# KiCad board EBAZ4205.kicad_pcb (continued)
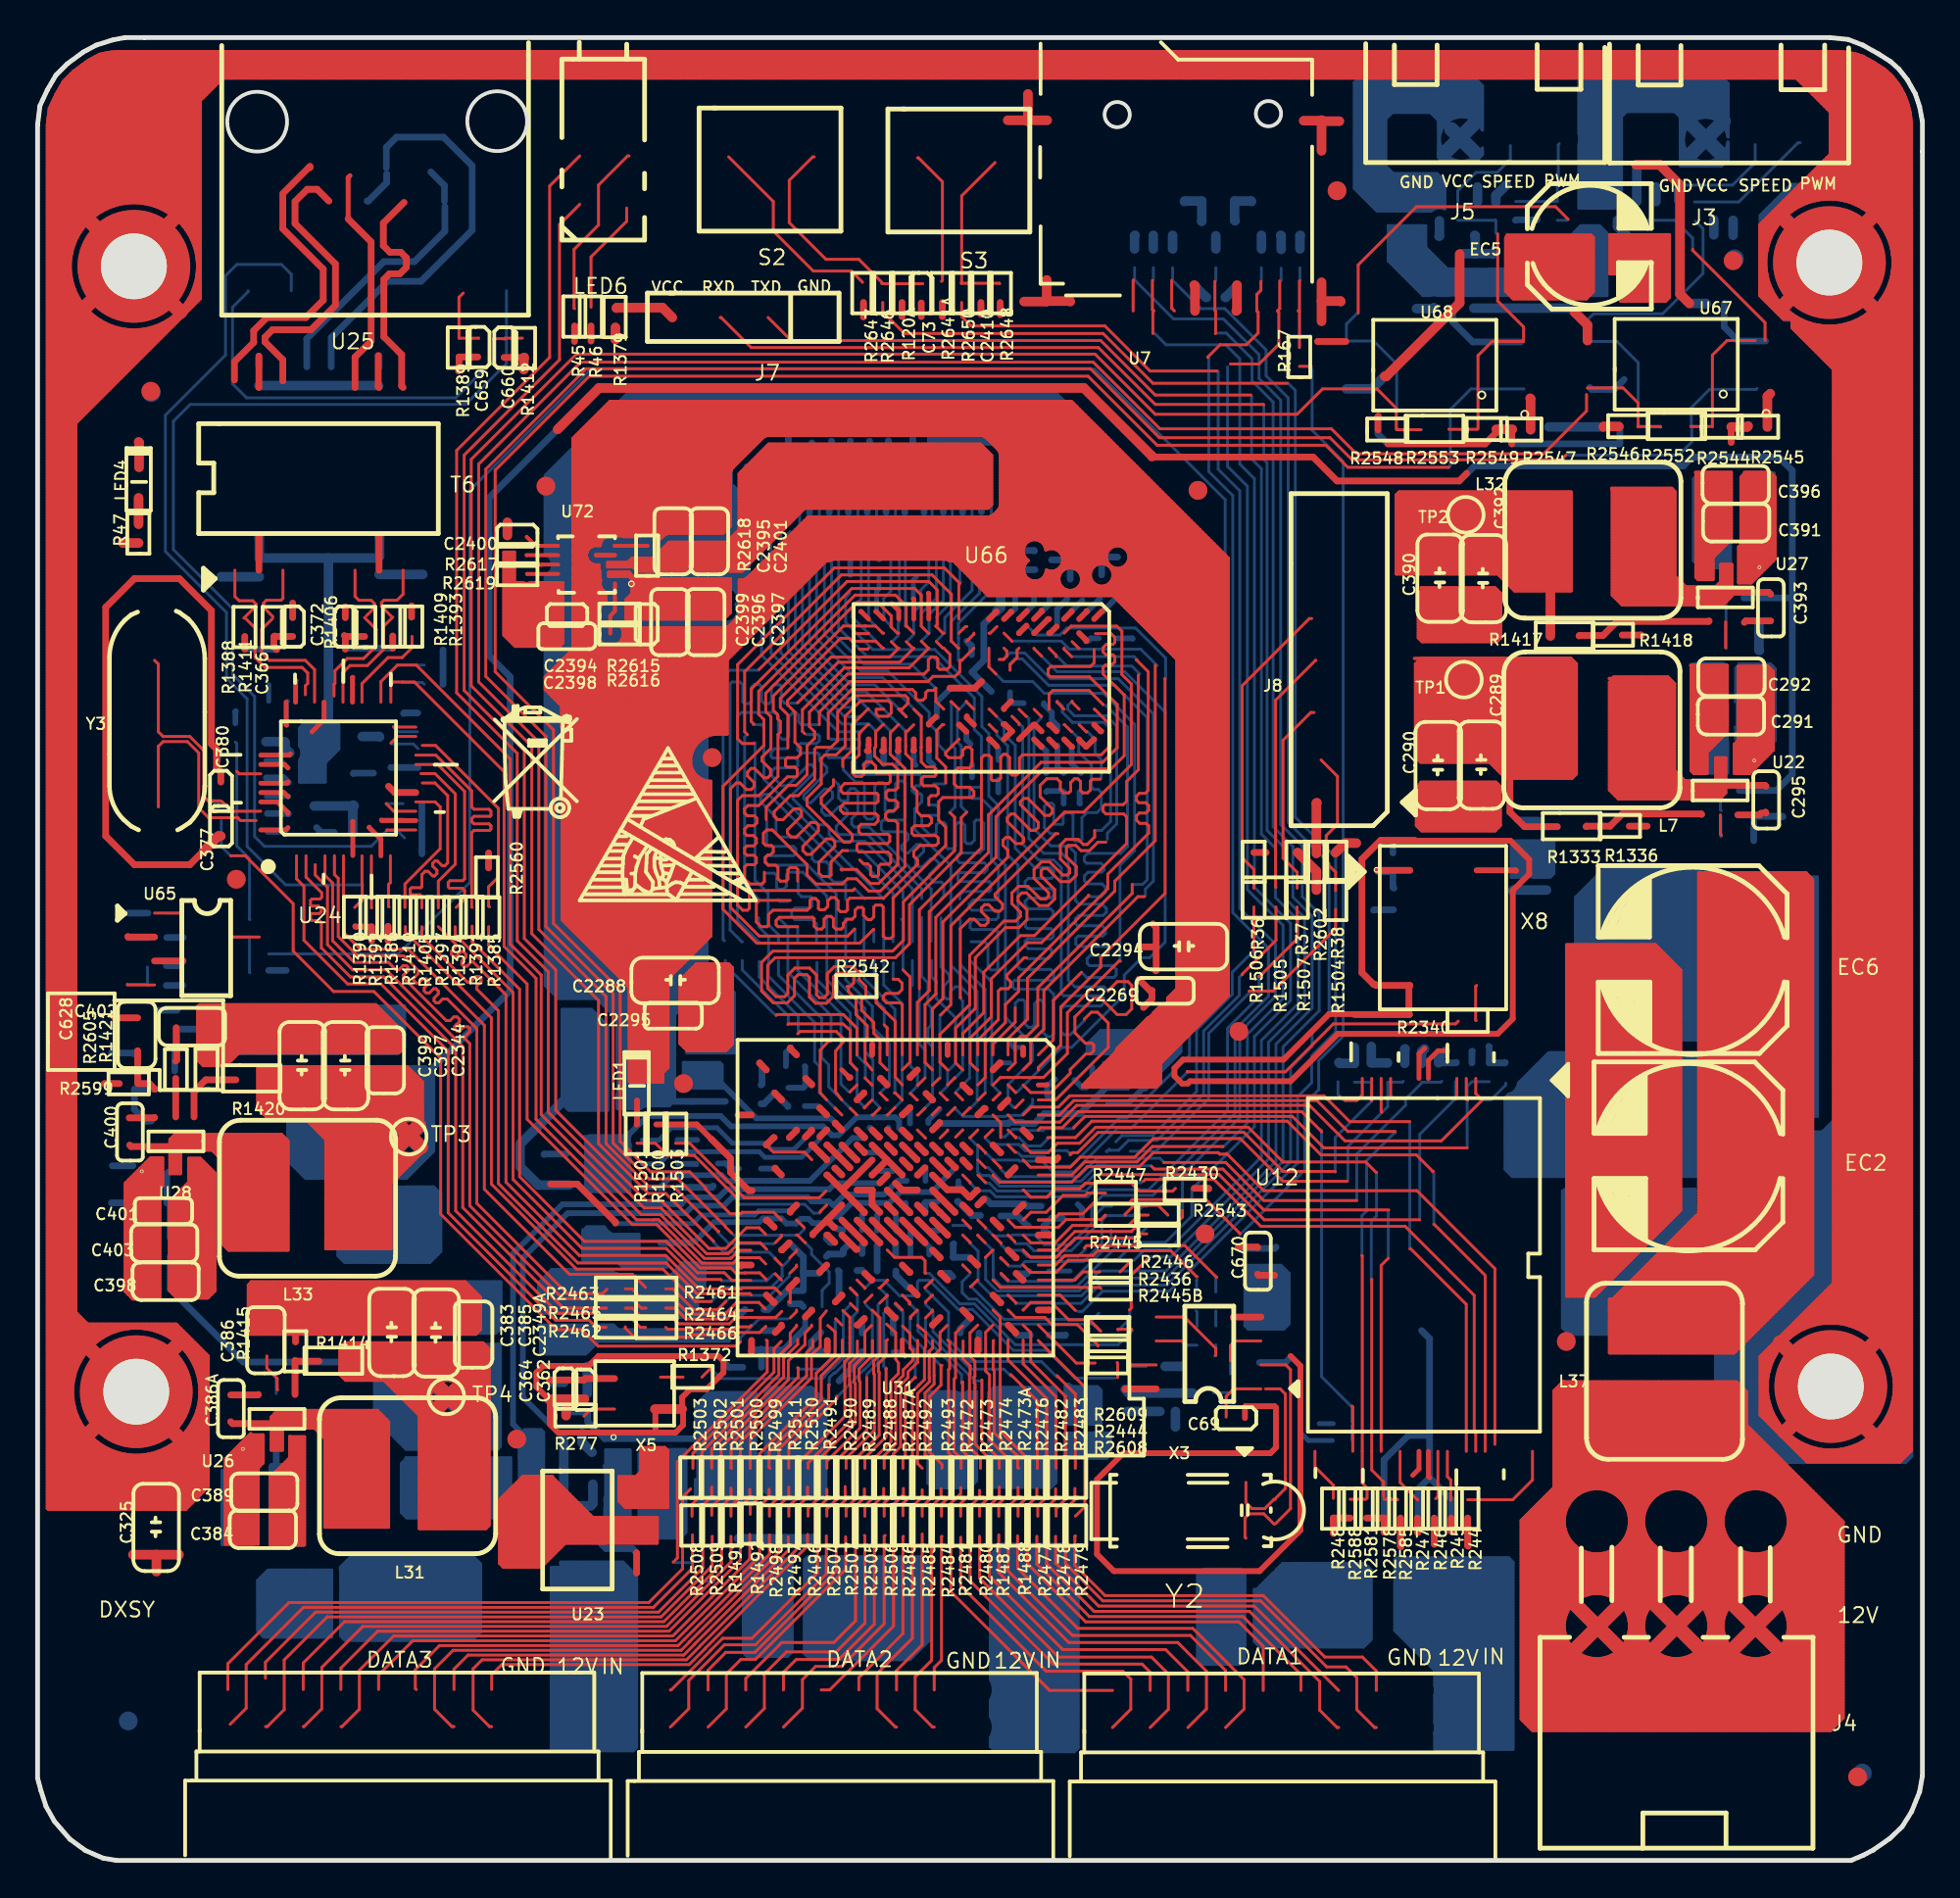
[diagram p0: board, top side]
## Routing (per net, layer and track width the routed paths; a pad name or vN(x,y) marks a point on that pad's centre or on a via; arc(x,y) is an arc through that point) (continued)
46.61,87.14 51.52,87.14 ; 41.19,59.84 41.7,59.84 ; 56.74,46.59 56.74,53.84 ; 40.23,29.25 40.23,30.99 ; 40.23,31.66 40.23,31.75 ; 49.62,74.82 49.86,74.82 ; 33.62,0.54 33.62,6.17 ; 44.55,30.8 44.55,35.8 ; 71.99,17.67 73.13,17.67 ; 62.83,9.9 62.83,26.5 ; 7.72,43.45 28.4,43.45 ; 16.86,76.56 16.86,87.69 ; 10.12,27.2 26.69,27.2 ; 55.85,51.76 55.85,59.68 ; 9.88,93.02 9.88,96.32 ; 39.39,72.16 39.72,72.16 ; 40.48,52.52 40.48,59.78 ; 69.69,66.72 69.69,68.68 ; 52.97,65.93 53.9,65.93 ; 54.58,68.33 54.58,94.09 ; 46.83,91.6 46.83,94.91 ; 37.23,81.94 37.97,81.94 ; 14.33,83.97 21.85,83.97 ; 27.02,6.75 27.33,6.75 ; 18.89,13.99 19.18,13.99 ; 66.2,31.26 70.8,31.26 ; 24.4,8.02 25.93,8.02 ; 1.91,10.18 79.64,10.18 ; 39.72,29.2 39.72,31.08 ; 50.73,39.77 51.77,39.77 ; 58.47,86.89 59.31,86.89 ; 75.15,8 75.15,8.13 ; 29.39,87.4 30.93,87.4 ; 55.6,65.2 55.6,93.98 ; 39.78,81.94 40.52,81.94 ; 39.08,55.65 48.18,55.65 ; 15.06,7.13 15.21,7.13 ; 5.3,29.37 5.3,77.17 ; 58.05,9.42 58.35,9.42 ; 33.5,8.01 33.5,8.16 ; 66.43,19.07 79.61,19.07 ; 56.68,36.85 58.89,36.85 ; 48.48,82.38 48.48,94.73 ; 46.35,60.47 46.91,60.47 ; 12.42,94.27 12.42,96.32 ; 48.61,34.78 48.61,36.56 ; 28.6,8.28 33.2,8.28 ; 44.36,39.9 44.46,39.9 ; 77.82,0.52 77.82,81.4 ; 53.56,0.53 53.56,32.99 ; 20.82,7.77 21.49,7.77 ; 67.41,68.32 67.41,67.08 46.99,67.08 ; 1.91,10.43 79.64,10.43 ; 56.88,36.6 59.1,36.6 ; 48.61,65.27 48.61,94.72 ; 18.06,15.51 18.33,15.51 ; 37,46.25 46.56,46.25 ; 66.26,84.43 66.26,86.12 ; 45.31,37.94 45.31,38.24 ; 10.89,61.37 10.89,64.1 ; 50.52,39.64 71.18,39.64 ; 33.75,19.88 33.75,20.18 ; 58.52,0.53 58.52,6.45 ; 23.08,7.2 23.08,9.03 ; 9.29,91.97 9.91,91.97 ; 57.04,22.88 60.21,22.88 ; 28.29,0.54 28.29,6.2 ; 23.72,7.94 23.72,8.29 ; 2.91,40.15 18.43,40.15 ; 37.31,0.54 37.31,6.25 ; 75.28,9.98 75.28,17.11 ; 76.93,61.76 76.93,82.29 ; 47.54,41.04 47.68,41.04 ; 25.39,90.95 27.95,90.95 ; 5.08,46.38 7.39,46.38 ; 76.15,9.29 79.65,9.29 ; 49.5,9.98 49.5,25.22 ; 43.86,49.68 44.13,49.68 ; 20.67,7.89 21.64,7.89 ; 39.59,29.74 42.82,29.74 ; 17.75,76.56 17.75,79.98 ; 22.96,0.54 22.96,6.65 ; 69.8,40.15 70.74,40.15 ; 87.47,51.25 87.47,51.59 ; 66.9,84.38 66.9,86.25 ; 40.55,6.75 40.84,6.75 ; 52.06,61.23 52.42,61.23 ; 13.18,18.19 13.18,19.45 ; 61.01,17.55 65.44,17.55 ; 2.93,35.58 50.23,35.58 ; 44.29,66.69 44.29,72.07 ; 70.34,24.15 79.59,24.15 ; 2.83,64.16 10.8,64.16 ; 46.62,8.91 46.8,8.91 ; 64.87,48.79 64.87,77.39 ; 51.53,61.13 51.53,61.41 ; 28.91,8.53 32.92,8.53 ; 28.79,8.4 33.04,8.4 ; 44.04,9.94 44.04,25.32 ; 46.83,61.19 46.83,64.56 ; 71.35,66.95 93.1,66.95 ; 84.68,38.35 84.68,50.59 ; 50.77,33.91 50.77,35.09 ; 29.1,7.13 32.75,7.13 ; 18.26,90.98 18.26,96.32 ; 62.58,79.62 62.58,79.75 ; 27.27,27.65 27.27,35.61 ; 12.06,83.21 12.64,83.21 ; 36.27,26.18 40.06,26.18 ; 2.81,72.16 8.27,72.16 ; 42.77,40.28 42.77,52.36 ; 50.77,33.07 50.77,33.44 ; 21.32,75.59 71.5,75.59 ; 18.38,0.54 18.38,6.23 ; 29.43,40.83 29.43,80.48 ; 36.86,44.72 39,44.72 ; 10.54,53.74 42.71,53.74 ; 54.07,64.45 54.07,65.3 ; 65.12,0.53 65.12,6.15 ; 59.41,37.32 59.41,46.97 ; 44.45,25.93 44.87,25.93 ; 45.94,89.47 45.94,90.2 ; 28.67,91.64 28.67,96.32 ; 42.77,89.56 42.77,95.33 ; 45.44,60.47 45.44,64.48 ; 47.54,40.66 47.68,40.66 ; 63.98,0.53 63.98,6.54 ; 47.72,8.03 47.72,8.15 ; 41.98,34.31 43.66,34.31 ; 2.94,32.15 8.27,32.15 ; 25.75,20.23 25.75,64.47 ; 72.99,7.97 72.99,8.16 ; 43.28,49.91 43.28,51.39 ; 26.8,66.19 36.44,66.19 ; 64.36,7.41 64.36,8.71 ; 66.67,30.37 79.57,30.37 ; 25.88,20.33 25.88,64.52 ; 2.8,73.93 8.27,73.93 ; 39.67,45.11 47.69,45.11 ; 68.42,67.29 68.42,68.11 ; 88.49,42.09 88.49,59.47 ; 37.31,91.5 37.31,95.91 ; 57.88,28.44 57.88,29.04 ; 89,70.3 89,70.77 ; 3.53,29.37 3.53,40.96 ; 60.04,86.66 60.04,94.24 ; 67.28,8 67.28,8.12 ; 27.21,19.96 33.08,19.96 ; 2.87,53.49 9.86,53.49 ; 36.06,44.34 36.27,44.34 ; 46.32,38.86 46.32,40.47 ; 18.64,9.89 18.64,13.83 ; 33.98,15.51 66.28,15.51 ; 58.52,51.39 58.52,51.66 ; 49.38,68.22 54.56,68.22 ; 44.67,41.98 44.67,44.36 ; 39.69,82.57 40.61,82.57 ; 18,90.84 18,96.32 ; 6.83,0.55 6.83,17.5 ; 50.64,66.57 50.64,72.37 ; 49.75,10 49.75,28.47 ; 8.86,56.64 8.86,70.75 ; 71.72,7.87 71.72,8.26 ; 47.59,36.72 47.67,36.72 ; 41.88,38.85 41.88,39.75 ; 56.74,57.9 56.74,59.73 ; 31.59,16.65 31.59,87.23 ; 59.51,9.93 60.91,9.93 ; 16.61,76.56 16.61,88.29 ; 63.6,79.99 63.6,95.43 ; 41.94,31.14 43.65,31.14 ; 54.52,59.08 54.64,59.08 ; 22.58,24.28 22.79,24.28 ; 71.69,52.73 78.28,52.73 ; 37.05,27.79 37.05,33.1 ; 76.3,40.79 76.64,40.79 ; 25.08,7.01 25.25,7.01 ; 2.83,64.66 10.68,64.66 ; 41.71,31.64 44.01,31.64 ; 51.53,9.98 51.53,25.54 ; 16.38,88.54 16.63,88.54 ; 43.78,88.82 43.78,95.23 ; 7.84,46.95 7.84,50.1 ; 28.54,9.95 28.54,27.03 ; 48.08,38.88 48.76,38.88 ; 34.31,8.4 35.04,8.4 ; 42.29,90.83 45.87,90.83 ; 68.16,9.04 68.31,9.04 ; 60.69,86.76 62.43,86.76 ; 37.2,33.68 40.4,33.68 ; 2.88,49.8 40.09,49.8 ; 49.37,7.96 49.37,8.21 ; 73.17,43.2 74.59,43.2 ; 18.89,60.74 18.89,64.13 ; 36.67,31.14 38.83,31.14 ; 75.79,0.53 75.79,6.32 ; 48.48,43.81 48.48,55.39 ; 43.93,87.9 44.14,87.9 ; 38.27,9.8 39.11,9.8 ; 80.11,33.86 80.11,76.07 ; 43.56,40.79 44.46,40.79 ; 73.16,40.66 75.1,40.66 ; 73.39,32.41 79.56,32.41 ; 42.5,9.55 42.9,9.55 ; 48.43,44.85 55.31,44.85 ; 46.2,27.24 46.2,28.6 ; 48.59,74.82 48.83,74.82 ; 44.87,49.68 59,49.68 ; 11.02,0.55 11.02,6.87 ; 65.63,31.49 65.63,53.35 ; 56.88,66.82 67.23,66.82 ; 22.51,88.67 28.08,88.67 ; 51.66,63.73 51.66,64.56 ; 15.72,76.56 15.72,87.43 ; 32.99,9.7 32.99,20.72 ; 50.52,40.41 51.81,40.41 ; 68.14,8.91 68.32,8.91 ; 18.51,64.59 18.51,70.25 ; 50.81,36.22 56.23,36.22 ; 56.48,9.64 56.48,21.52 ; 9.28,85.75 73.48,85.75 ; 14.57,9.92 14.57,59.68 ; 2.92,37.23 36.83,37.23 ; 74.15,7.26 74.34,7.26 ; 53.18,70.07 53.18,86.81 ; 72.87,7.92 72.87,8.2 ; 22.94,6.62 23.38,6.62 ; 69.69,7.88 69.69,8.24 ; 37.03,67.33 46.25,67.33 ; 38.06,26.69 45.79,26.69 ; 35.78,26.61 35.78,29.36 ; 50.01,40.14 50.01,62.42 ; 3.96,75.84 8.27,75.84 ; 89.73,70.25 93.09,70.25 ; 67.88,79.9 79.31,79.9 ; 66.39,16.15 66.39,17.59 ; 42.28,9.8 43.12,9.8 ; 36.29,67.3 36.29,67.51 ; 65.25,84.42 65.25,86.13 ; 31.62,89.81 36.32,89.81 ; 29.09,7.26 32.76,7.26 ; 55.34,28.85 79.57,28.85 ; 34.39,81.43 35.71,81.43 ; 39.47,82.84 39.47,95.68 ; 88.23,71.85 88.23,72.5 ; 35.88,29.36 36.6,29.36 ; 15.34,0.55 15.34,6.66 ; 68.92,66.06 69.73,66.06 ; 87.47,53.05 87.47,78.14 ; 47.34,0.53 47.34,6.25 ; 32.37,87.9 34.09,87.9 ; 44.51,25.8 46.35,25.8 ; 38.32,52.75 38.32,59.11 ; 52.04,26.14 52.04,27.68 ; 40.22,51.46 43.19,51.46 ; 44.97,35.71 45.46,35.71 ; 35.91,8 35.91,8.18 ; 53.56,61.27 53.56,63.73 ; 59.6,36.72 68.66,36.72 ; 71.47,9.95 71.47,17.12 ; 71.85,9.75 71.85,17.14 ; 39.17,55.39 48.46,55.39 ; 8.38,33.68 29.05,33.68 ; 31.12,33.8 36,33.8 ; 66.77,0.53 66.77,6.27 ; 89.12,42.71 89.12,59.47 ; 59.16,36.34 68.8,36.34 ; 29.31,81.24 29.31,87.34 ; 2.94,31.64 39.06,31.64 ; 51.4,9.95 51.4,25.72 ; 40.36,7.75 40.36,8.43 ; 43.83,61.49 48.28,61.49 ; 45.56,36.43 45.56,37.28 ; 76.12,61.74 76.36,61.74 ; 74.4,20.59 79.6,20.59 ; 41.5,83.05 41.5,87.16 ; 36.8,9.35 36.8,24.34 ; 55.18,37.99 56.58,37.99 ; 49.25,37.07 49.25,38.38 ; 45.31,36.25 45.31,37.41 ; 19.39,89.68 19.77,89.68 ; 47.47,62.61 47.47,64.71 ; 60.42,84.49 60.42,86.11 ; 43.4,61.77 43.4,64.35 ; 48.86,74.98 48.86,94.69 ; 75.69,7.89 79.65,7.89 ; 24.48,94.44 24.48,96.32 ; 71.09,7.99 71.09,8.13 ; 34.39,7.7 34.39,8.48 ; 60.68,21 60.68,22.7 ; 48.86,38.89 48.86,39.68 ; 8.92,34.56 36.96,34.56 ; 9.29,89.3 14,89.3 ; 5.05,50.73 5.05,76.92 ; 66.13,6.88 66.32,6.88 ; 68.07,79.27 71.41,79.27 ; 42.62,7.01 42.78,7.01 ; 71.47,61.61 71.47,63.66 ; 61.43,8.15 63,8.15 ; 39.05,52.47 40.26,52.47 ; 1.9,8.78 9.25,8.78 ; 57.75,26.54 57.75,38.14 ; 27.4,76.46 27.4,96.32 ; 69.69,43.37 69.69,55.37 ; 24.48,9.97 24.48,80.68 ; 74.16,8.91 74.33,8.91 ; 60.04,37.61 60.04,62.48 ; 27.15,27.7 27.15,35.64 ; 44.55,40.33 44.55,40.55 ; 41.12,33.86 41.12,38.21 ; 60.04,17.83 60.04,19.37 ; 65.5,0.53 65.5,6.19 ; 67.86,79.14 71.33,79.14 ; 66.64,14.51 66.64,14.74 ; 20.34,87.78 20.9,87.78 ; 32.05,16.02 33.46,16.02 ; 51.44,59.33 53.09,59.33 ; 8.22,0.55 8.22,17.52 ; 79.01,52.47 83.5,52.47 ; 45.35,44.72 47.82,44.72 ; 48.86,61.99 48.86,62.16 ; 69.96,40.41 70.61,40.41 ; 28.67,44.26 28.67,80.47 ; 39.85,29.29 39.85,30.97 ; 65.25,54.02 65.25,77.08 ; 50.64,7.2 50.64,8.98 ; 69.44,0.53 69.44,6.17 ; 48.74,68.18 48.74,94.71 ; 65.12,47.42 65.12,53.35 ; 68.91,55.9 69.65,55.9 ; 81.99,35.96 82.23,35.96 ; 43.17,72.79 43.98,72.79 ; 71.98,7.64 71.98,8.49 ; 48.57,6.75 48.86,6.75 ; 41.75,34.85 41.75,38.14 ; 25.75,83.08 76.14,83.08 ; 75.92,61.83 75.92,61.95 ; 29.14,87.27 31.18,87.27 ; 35.02,67.97 35.02,86.8 ; 76.3,74.13 76.3,82.92 ; 59.28,86.88 59.28,93.98 ; 15.05,90.83 15.94,90.83 ; 55.34,47.61 55.34,59.13 ; 46.96,33.19 46.96,34.16 ; 33.37,7.98 33.37,8.2 ; 58.26,29.68 58.26,31.56 ; 45.56,60.44 45.56,64.51 ; 12.12,80.28 17.78,80.28 ; 48.07,6.24 49.36,6.24 ; 65.37,47.01 93.15,47.01 ; 74.26,20.72 79.6,20.72 ; 44.31,82.32 47.78,82.32 ; 39.47,29.99 39.47,30.98 ; 49.84,32.41 50.2,32.41 ; 61.95,80.22 61.95,86.86 ; 52.04,45.77 52.04,60.55 ; 25.07,9.29 25.26,9.29 ; 57.37,46.25 64.08,46.25 ; 47.09,33.27 47.09,34.1 ; 46.96,66.09 46.96,66.99 ; 42.33,82.32 43.59,82.32 ; 66.77,29.36 79.57,29.36 ; 36.42,33.86 36.42,42.85 ; 16.1,89.01 16.1,89.27 ; 62.45,84.39 62.45,86.17 ; 43.5,36.6 46.15,36.6 ; 83.54,52.95 83.54,75.97 ; 39.21,9.87 39.21,29.31 ; 41.12,9.8 41.12,12.34 ; 46.83,26.08 46.83,28.81 ; 52.14,65.17 55.56,65.17 ; 50.78,35.33 69.86,35.33 ; 8.1,46.7 8.1,79.96 ; 76.7,71.01 88.25,71.01 ; 15.08,90.8 15.08,96.32 ; 57.33,37.74 57.77,37.74 ; 34.89,0.54 34.89,6.61 ; 52.35,90.7 69.9,90.7 ; 40.23,61.95 40.23,72.02 ; 9.28,85.87 73.35,85.87 ; 14.38,83.84 21.79,83.84 ; 42.13,89.52 42.13,90.12 ; 44.68,59.71 45.28,59.71 ; 62.2,0.53 62.2,35.38 ; 10.12,25.8 12.39,25.8 ; 26.9,9.67 27.44,9.67 ; 71.34,9.97 71.34,17.23 ; 41.95,34.69 43.66,34.69 ; 50.67,37.23 51.08,37.23 ; 50.61,25.42 54.15,25.42 ; 74.77,61.78 74.77,73.93 ; 48.03,64.54 48.4,64.54 ; 66.14,18.43 66.14,18.77 ; 21.32,75.33 71.46,75.33 ; 29.05,0.54 29.05,6.82 ; 58.64,86.81 58.64,93.93 ; 41.17,33.55 47.68,33.55 ; 19.19,58.19 42.46,58.19 ; 42.51,53.07 42.51,57.17 ; 18,8.04 18,8.18 ; 25.75,0.54 25.75,6.3 ; 47.47,33.21 47.47,34.19 ; 45.44,29.98 45.44,32.54 ; 19.91,76.56 19.91,87.45 ; 52.9,47.77 57.22,47.77 ; 16.34,88.67 16.67,88.67 ; 46.35,7.77 47.07,7.77 ; 6.45,0.55 6.45,17.5 ; 47.59,61.13 47.59,62.06 ; 84.42,53.05 84.42,75.13 ; 70.84,64.79 70.84,65.54 ; 66.14,29.8 66.14,30.05 ; 9.11,56.74 9.11,70.75 ; 65.56,77.24 71.19,77.24 ; 44.18,7.89 45.23,7.89 ; 52.27,30.88 61.36,30.88 ; 45.69,89.52 45.69,95.03 ; 48.8,64.54 51.7,64.54 ; 38.45,9.6 38.45,52.25 ; 30.83,34.31 30.83,80.56 ; 2.88,50.44 4.41,50.44 ; 78.88,55.77 93.13,55.77 ; 68.48,39.14 72.05,39.14 ; 9.29,88.67 14.61,88.67 ; 17.37,9.6 17.37,13.98 ; 57.88,52.09 57.88,92.08 ; 54,88.03 60.74,88.03 ; 41.37,72.66 41.37,74.51 ; 40.23,33.15 40.23,34.16 ; 45.97,38.63 46.06,38.63 ; 43.02,75.18 43.02,86.81 ; 73.38,32.73 73.38,33.75 ; 42.64,25.08 42.64,28.48 ; 59.22,35.96 61.99,35.96 ; 42.02,34.44 43.61,34.44 ; 43.66,82.41 43.66,87.28 ; 9.3,95.14 44.59,95.14 ; 71.9,8.4 72.58,8.4 ; 40.39,32.02 47.69,32.02 ; 36.16,31.21 36.16,32.71 ; 57.75,44.25 57.75,47.51 ; 27.02,20.31 27.02,25.24 ; 15.72,9.93 15.72,70.75 ; 40.99,82.94 40.99,89.76 ; 12.16,8.05 12.16,8.17 ; 21.46,90.44 27.97,90.44 ; 35.79,8.02 37.58,8.02 ; 10.63,53.36 43.04,53.36 ; 2.85,60.85 10.32,60.85 ; 55.47,29.53 55.47,32.41 ; 54.2,33.41 54.2,54.27 ; 47.47,41.96 47.47,55.78 ; 10.64,58.37 10.64,60.79 ; 76.73,61.87 77.25,61.87 ; 35.99,43.58 36.25,43.58 ; 18.52,70.63 67.75,70.63 ; 43.52,89.17 44.61,89.17 ; 72.74,39.6 72.74,40.18 ; 44.04,72.81 44.04,74.45 ; 38.03,73.55 75.77,73.55 ; 36.39,6.5 36.98,6.5 ; 87.09,49.98 87.09,50.64 ; 51.54,63.77 53.2,63.77 ; 10.12,19.07 65.37,19.07 ; 68.42,59.69 68.42,60.51 ; 76.04,40.84 76.04,60.57 ; 54.96,38.07 54.96,38.68 ; 38.77,63.27 50.62,63.27 ; 2.82,68.73 52.68,68.73 ; 2.91,42.31 28.66,42.31 ; 43.53,30.2 43.53,29.86 43.69,29.87 ; 69,56.28 69.65,56.28 ; 9.49,76.56 9.49,96.25 ; 61.56,42.06 61.56,83.46 ; 48.96,65.04 51.48,65.04 ; 76.93,40.86 76.93,43.06 ; 34.51,67.97 35.02,67.97 ; 47.34,7.95 47.34,8.23 ; 19.48,90.19 19.68,90.19 ; 26.33,92.48 56.61,92.48 ; 36.59,8.91 36.77,8.91 ; 61.95,31.38 61.95,35.65 ; 75.34,42.95 77.12,42.95 ; 67.79,0.53 67.79,6.33 ; 31.21,91.61 31.21,96.32 ; 2.9,45.87 48.71,45.87 ; 52.38,40.66 69.23,40.66 ; 15.08,89.17 15.08,89.4 ; 43.74,87.4 44.31,87.4 ; 61.27,27.83 73.51,27.83 ; 26.15,93.37 56.61,93.37 ; 21.32,75.46 71.46,75.46 ; 28.29,81.12 28.29,87.41 ; 40.58,62 48.4,62 ; 18.64,7.91 18.64,8.31 ; 61.31,27.8 61.31,31.02 ; 35.91,68.12 35.91,81.3 ; 2.84,62.89 19.07,62.89 ; 38.51,8.66 38.86,8.66 ; 42.09,90.06 46.02,90.06 ; 74.01,34.12 74.01,36.38 ; 72.24,34.82 81.08,34.82 ; 59.39,31.9 70.22,31.9 ; 38.32,7.77 38.32,8.4 ; 18.41,14.88 18.75,14.88 ; 27.78,9.94 27.78,26.95 ; 40.99,72.78 40.99,74.42 ; 47.51,31.01 49.36,31.01 ; 19.15,90.82 19.15,96.32 ; 47.57,29.1 49.33,29.1 ; 53.1,23.13 60.16,23.13 ; 44.19,32.53 45.46,32.53 ; 47.71,55.9 48.18,55.9 ; 51.4,65.85 51.4,66.37 ; 20.42,88.75 20.42,89.19 ; 21.05,89.03 21.05,89.29 ; 50.19,8.28 51.25,8.28 ; 63.6,0.53 63.6,6.23 ; 29.65,33.17 29.89,33.17 ; 18.13,89.04 18.13,89.28 ; 65.42,86.76 65.86,86.76 ; 46.58,59.47 46.58,59.93 ; 52.93,69.07 52.93,69.33 ; 40.99,29.23 43.9,29.23 ; 44.56,6.75 44.85,6.75 ; 77.22,40.66 87.04,40.66 ; 34.35,68.09 35.23,68.09 ; 29.69,40.7 29.69,80.56 ; 44.04,34.89 44.04,37.28 ; 71.86,7.77 72.63,7.77 ; 78.84,0.52 78.84,52.32 ; 6.63,41.17 28.51,41.17 ; 42.49,6.62 42.91,6.62 ; 35.67,23.39 52.38,23.39 ; 18,0.54 18,6.21 ; 69.82,40.78 69.82,42.98 ; 39.09,0.54 39.09,6.4 ; 49.88,38.78 49.88,39.75 ; 44.12,64.66 44.29,64.66 44.29,60.31 ; 45.82,8.02 47.6,8.02 ; 84.6,75.46 89.73,75.46 ; 10.12,24.91 20.95,24.91 ; 37.94,60.82 37.94,72.89 ; 51.57,40.66 51.72,40.66 ; 17.24,52.32 17.24,70.75 ; 54.34,69.24 57.11,69.24 ; 8.39,33.8 29.21,33.8 ; 2.94,31.77 38.97,31.77 ; 53.98,32.91 55.53,32.91 ; 63.67,26.94 79.58,26.94 ; 36.54,9.42 36.82,9.42 ; 26.18,91.84 69.89,91.84 ; 52.17,61.84 52.17,64.67 ; 35.78,82.88 35.78,86.75 ; 83.79,53.08 83.79,78.16 ; 48.51,6.62 48.92,6.62 ; 61.13,16.66 79.62,16.66 ; 61.44,9.95 61.44,30.78 ; 53.24,38.37 53.37,38.37 ; 36.76,30.12 43.08,30.12 ; 49.63,37.29 49.63,38.08 ; 78.69,75.71 83.91,75.71 ; 73.63,61.21 73.63,82.3 ; 49.98,33.04 50.07,33.04 ; 34.39,9.67 34.39,67.39 ; 15.72,90.57 15.72,96.32 ; 64.49,47.14 64.59,47.14 ; 41.75,89.35 41.75,89.8 ; 49,41.3 53.33,41.3 ; 47.59,56.53 47.59,60.57 ; 48.86,56.01 48.86,61.36 ; 72.09,9.42 72.39,9.42 ; 62.6,79.78 63.09,79.78 ; 53.97,88.41 60.65,88.41 ; 44.24,29.36 44.61,29.36 ; 45.05,41.14 45.05,41.29 ; 52.26,23.01 52.35,23.01 ; 29.2,41.55 42.83,41.55 ; 20.84,6.5 21.48,6.5 ; 38.83,38.61 38.83,52.21 ; 44.75,60.47 46.1,60.47 ; 53.69,61.19 53.69,63.81 ; 47.98,37.26 47.98,38.06 ; 31.47,0.54 31.47,87.22 ; 11.4,76.56 11.4,79.98 ; 68.99,63.77 69.66,63.77 ; 35.66,0.54 35.66,6.17 ; 89.74,72.28 93.08,72.28 ; 67.28,61.84 67.28,63.42 ; 14.57,88.55 14.57,89.18 ; 45.31,47.23 45.31,58.88 ; 44.83,64.54 45.22,64.54 ; 10.76,61.51 10.76,64.18 ; 47.47,34.76 47.47,36.56 ; 8.48,29.37 8.48,30.01 ; 19.02,38.9 19.02,39.53 ; 41.5,13.01 41.5,30.89 ; 13.53,92.86 22.61,92.86 ; 48.1,9.92 48.1,25.96 ; 41.37,88.99 41.37,89.7 ; 2.87,53.74 9.96,53.74 ; 48.86,25.69 48.86,34.06 ; 44.8,38.89 44.8,39.66 ; 65.76,9.81 65.76,14.25 ; 14.45,76.56 14.45,89.17 ; 37.43,60.12 37.43,73.05 ; 56.1,65.2 56.1,93.93 ; 19.27,7.42 19.27,8.8 ; 11.65,7.92 11.65,8.3 ; 61.41,27.45 79.58,27.45 ; 52.36,27.83 60.78,27.83 ; 83.15,51.92 83.15,75.95 ; 46.45,61.2 46.45,64.55 ; 75.62,40.91 87.3,40.91 ; 36.29,91.52 36.29,96.02 ; 36.8,33.84 36.8,36.48 ; 72.74,71.28 72.74,71.42 ; 36.28,43.96 40.06,43.96 ; 11.78,84.27 11.78,90.68 ; 49.44,64.03 50.8,64.03 ; 60.93,34.99 60.93,41.69 ; 33.6,21.48 56.1,21.48 ; 53.93,87.65 71.58,87.65 ; 28.29,88.89 28.29,89.99 ; 44.95,66.7 50.7,66.7 ; 48.97,61.87 49.07,61.87 ; 48.36,7.77 48.36,8.41 ; 37.82,60.72 37.82,72.86 ; 51.02,38.84 51.02,40.51 ; 22.58,0.54 22.58,6.3 ; 46.07,47.79 46.07,59.74 ; 39.53,31.77 39.75,31.77 ; 10.97,6.75 11.28,6.75 ; 2.82,69.87 4.25,69.87 ; 47.09,38.03 47.09,38.15 ; 14.7,9.84 14.7,59.69 ; 78.58,75.77 78.58,80.63 ; 69.69,59.12 69.69,61.08 ; 57.29,54.25 69.79,54.25 ; 89.3,62.25 93.11,62.25 ; 36.42,67.49 36.42,81.2 ; 84.81,38.47 84.81,50.61 ; 46.45,7.66 46.45,8.52 ; 5.11,76.98 70.97,76.98 ; 20.54,76.56 20.54,89.17 ; 36.91,45.36 39.21,45.36 ; 40.38,72.16 40.77,72.16 ; 48.48,57.71 48.48,58.61 ; 46.58,65.05 46.58,65.59 ; 59.79,63.21 59.79,63.38 ; 23.85,25.21 23.85,25.66 ; 9.31,18.05 12.98,18.05 ; 57.5,26.09 57.5,31.59 ; 22.77,9.8 23.55,9.8 ; 37.31,7.95 37.31,8.23 ; 49.12,37.16 49.12,37.39 ; 88.23,41.84 88.23,59.57 ; 72.99,43.53 72.99,68.47 ; 76.42,37.74 84.06,37.74 ; 47.39,40.41 47.79,40.41 ; 52.38,37.49 54.61,37.49 ; 51.66,0.53 51.66,6.17 ; 16.58,89.17 17.16,89.17 ; 46.96,91.59 46.96,94.89 ; 46.6,38.12 47.81,38.12 ; 9.29,90.06 13.55,90.06 ; 5.05,46.91 5.05,48.87 ; 45.1,30.25 46.1,30.25 ; 62.96,9.94 62.96,26.58 ; 13,93.87 23.12,93.87 ; 44.29,38.69 44.29,39.81 ; 58.26,28.64 58.26,28.92 ; 45.1,38.25 45.3,38.25 ; 44.31,29.99 44.54,29.99 ; 1.93,13.86 17.48,13.86 ; 61.06,42.38 61.06,87.91 ; 40.86,34.03 40.86,38.11 ; 3.4,41.71 3.4,75.28 ; 73.12,43.39 73.12,68.4 ; 36.55,46.72 36.55,66.13 ; 58.3,26.69 62.35,26.69 ; 2.85,58.82 44.63,58.82 ; 52.29,38.01 52.29,38.21 ; 63.09,86.51 64.73,86.51 ; 50.64,38.83 50.64,39.7 ; 49.67,61.36 51.6,61.36 ; 38.52,60.47 41.21,60.47 ; 61.06,7.99 61.06,8.14 ; 63.47,0.53 63.47,6.18 ; 73.59,69.24 93.09,69.24 ; 24.61,7.94 24.61,8.28 ; 59.53,50.2 59.53,63.24 ; 36.67,46.73 36.67,66.11 ; 40.73,49.93 43.31,49.93 ; 64.09,6.75 64.35,6.75 ; 34.01,83.02 34.01,96.26 ; 43.35,39.64 47.91,39.64 ; 45.42,44.34 57.38,44.34 ; 42.03,82.82 73.05,82.82 ; 26.09,19.58 26.77,19.58 ; 20.22,63.39 38.01,63.39 ; 16.75,9.8 17.54,9.8 ; 47.34,31.65 47.34,32.52 ; 11.4,7.7 11.4,8.53 10.86,8.53 ; 59.14,35.83 61.94,35.83 ; 68.55,57.1 68.55,58.04 ; 76.8,61.85 76.8,62.62 ; 76.38,60.47 93.11,60.47 ; 38.17,59.96 40.43,59.96 ; 35.53,33.13 35.53,38.17 ; 2.8,73.05 8.27,73.05 ; 66.43,17.67 71.31,17.67 ; 48.25,39.77 48.57,39.77 ; 61.56,87.33 61.56,94.75 ; 52.29,29.94 52.29,30.9 ; 62.66,79.9 63.17,79.9 ; 49.96,36.34 50.19,36.34 ; 66.21,92.35 69.88,92.35 ; 76.6,72.28 88.32,72.28 ; 86.46,49.9 86.46,50.58 ; 68.92,64.28 69.73,64.28 ; 36.93,33.84 36.93,34.6 ; 40.65,26.56 45,26.56 ; 11.41,64.54 12.34,64.54 ; 45.44,36.38 45.44,37.32 ; 28.54,44.28 28.54,80.46 ; 24.73,94.42 24.73,96.32 ; 14.07,8.05 14.07,8.17 ; 50.64,74.82 80.93,74.82 ; 57.79,69.62 67.41,69.62 ; 45.05,30 45.05,30.2 ; 41.75,91.55 41.75,95.44 ; 20.8,0.54 20.8,6.46 ; 89.38,70.52 89.38,71.74 ; 77.19,61.84 77.19,82.03 ; 22.32,25.38 22.32,82.69 ; 44.06,6.24 45.35,6.24 ; 2.85,59.2 18.52,59.2 ; 44.42,29.84 44.42,30.31 ; 61.06,20.69 61.06,27.13 ; 27.1,9.04 27.25,9.04 ; 68.97,64.16 69.68,64.16 ; 57.64,26.06 57.84,26.06 ; 37.73,8.15 39.65,8.15 ; 10.38,61.53 10.38,70.75 ; 66.39,0.53 66.39,6.68 ; 51.36,61.11 51.52,61.11 ; 69.82,69.5 69.82,70.96 ; 45.44,72.66 45.88,72.66 ; 90.01,64.9 90.01,75.1 ; 67.53,0.53 67.53,6.2 ; 76.42,40.67 76.42,60.48 ; 1.94,14.75 17.65,14.75 ; 71.34,64.42 71.34,65.91 ; 48.47,7.64 48.97,7.64 ; 43.53,0.54 43.53,6.19 ; 2.81,70.89 8.27,70.89 ; 66.01,18.47 66.01,18.73 ; 53.18,69.08 53.18,69.33 ; 51.53,61.99 51.53,63.02 ; 76.18,7.13 79.65,7.13 ; 6.32,45.62 6.32,78.19 ; 40.1,34.89 40.1,42.86 ; 34.03,6.24 35.32,6.24 ; 60.55,21.05 60.55,22.68 ; 48.48,62.79 48.48,64.5 ; 12.65,90.95 14.11,90.95 ; 43.15,30.86 43.15,36.49 ; 68.37,65.55 70.28,65.55 ; 45.05,26.58 45.05,29.4 ; 46.29,9.8 47.13,9.8 ; 40.05,6.24 41.34,6.24 ; 42.9,40.2 42.9,40.7 ; 58.14,25.37 58.14,25.96 ; 87.63,51.2 93.14,51.2 ; 56.96,68.22 67.53,68.22 ; 43.95,88.16 44.12,88.16 ; 21.35,89.56 35.25,89.56 ; 68.55,67.23 68.55,68.17 ; 42.9,9.53 42.9,12.6 ; 31.85,91.58 31.85,96.32 ; 73.88,7.75 73.88,8.38 ; 51.95,63.01 58.25,63.01 ; 15.72,89.22 15.72,89.63 ; 29.63,87.65 30.69,87.65 ; 47.52,74.57 47.88,74.57 ; 71.22,69.64 71.22,70.83 ; 38.83,52.94 38.83,55.01 ; 37.43,73.45 37.43,89.95 ; 28.29,44.19 28.29,80.58 ; 48.61,7.34 48.61,8.84 ; 67.53,86.71 67.53,95.89 ; 19.53,89.25 19.53,96.32 ; 36.16,68.07 36.16,81.21 ; 33.24,67.96 33.24,81.36 ; 19.15,40.62 19.15,57.99 ; 46.2,47.77 46.2,59.71 ; 76.33,73.55 88.25,73.55 ; 26.64,20.32 26.64,64.57 ; 68.55,69.76 68.55,70.7 ; 61.44,42.29 61.44,83.47 ; 49.25,66.03 49.25,67.62 ; 68.97,66.19 69.68,66.19 ; 47.4,60.73 47.5,60.73 ; 85.44,39.09 85.44,50.62 ; 55.26,66.19 56.41,66.19 ; 52.24,64.92 55.46,64.92 ; 66.81,78.38 80.83,78.38 ; 53.76,61.11 67.18,61.11 ; 44.04,64.77 44.04,72.04 ; 42.46,72.54 42.76,72.54 ; 42.26,33.26 42.26,38.91 ; 68.68,57.01 68.68,58.13 ; 67.28,14.49 67.28,14.73 ; 58.38,93.11 64.56,93.11 ; 65.25,93.89 65.25,95.66 ; 51.79,89.29 51.79,89.74 ; 50.52,34.06 50.52,34.85 ; 40.2,58.95 44.57,58.95 ; 49.77,56.03 67.19,56.03 ; 10.38,53.85 10.38,57.65 ; 62.2,80.39 62.2,86.95 ; 19.07,9.04 19.23,9.04 ; 73.88,20.72 73.88,27.88 ; 62.33,0.53 62.33,6.81 ; 40.1,75.19 40.1,95.62 ; 75.41,0.53 75.41,6.16 ; 64.14,9.04 64.29,9.04 ; 19.91,39.9 41.26,39.9 ; 51.4,34.01 51.4,36.51 ; 24.12,25.04 36.69,25.04 ; 69.78,9.8 70.69,9.8 ; 67.83,6.37 68.63,6.37 ; 22.19,0.54 22.19,6.2 ; 25.62,66.68 25.62,82.91 ; 40.48,33.89 40.48,38.36 ; 46.32,72.73 46.32,74.44 ; 18.51,0.54 18.51,6.27 ; 9.28,87.02 34.63,87.02 ; 64.86,46.38 92.86,46.38 ; 58.63,63.52 59.1,63.52 ; 48.99,61.82 48.99,63.49 ; 59.39,32.02 70.12,32.02 ; 54.5,65.43 93.1,65.43 ; 48.99,38.04 48.99,38.13 ; 39.85,0.54 39.85,6.19 ; 39.47,32.38 39.47,32.61 ; 40.74,82.75 40.74,89.89 ; 12.8,84.15 12.8,91.05 ; 44.35,38.25 44.5,38.25 ; 57.63,69.74 57.63,91.99 ; 51.28,42.84 51.28,58.93 ; 68.63,57.04 69.65,57.04 ; 42.39,29.21 42.39,32.51 ; 4.92,70.12 11.55,70.12 ; 52.04,89.42 52.04,89.91 ; 44.55,36.35 44.55,38.2 ; 43.53,41.17 44.71,41.17 ; 62.06,9.42 62.37,9.42 ; 67.79,57.18 67.79,57.95 ; 58.9,51.69 58.9,62.84 ; 43.02,72.78 43.02,74.42 ; 60.55,17.85 60.55,19.35 ; 42.01,89.48 42.01,89.97 ; 13.71,58.06 18.42,58.06 ; 60.9,23.26 67